# KiCad board Proyecto-KiCAD.kicad_pcb (continued)
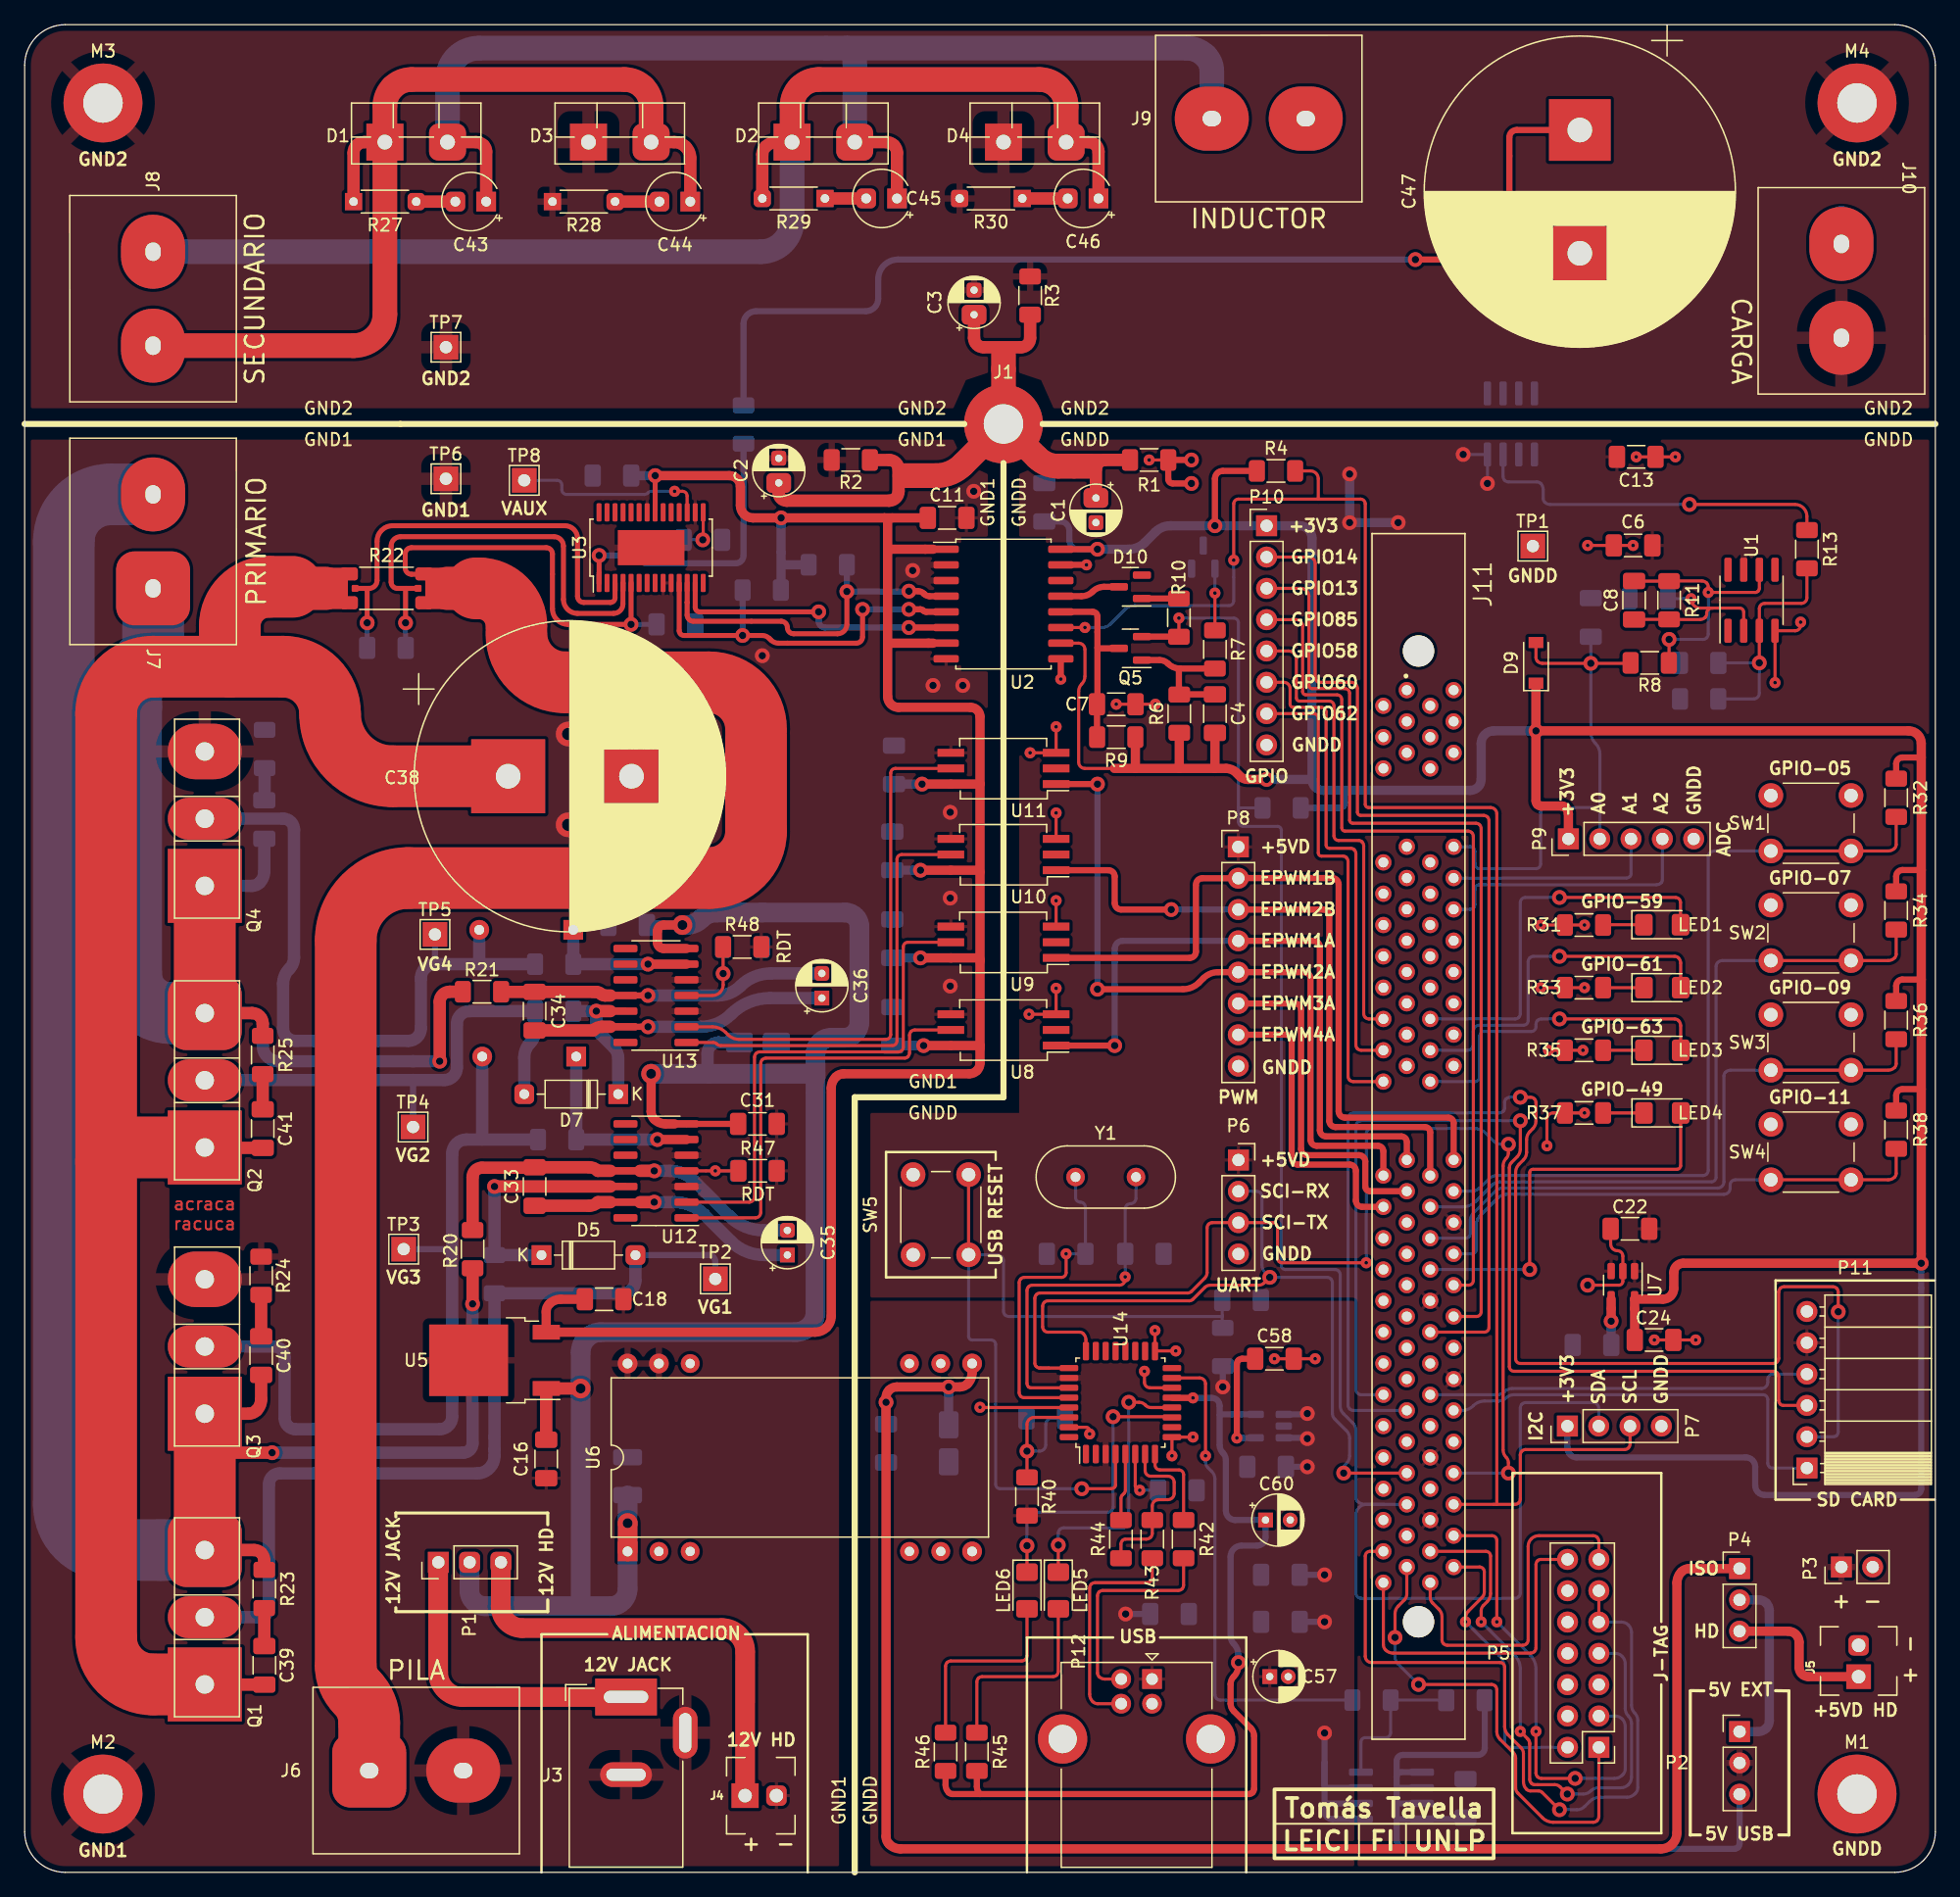
[diagram p0: board, top side]
## Routing (per net, layer and track width the routed paths; a pad name or vN(x,y) marks a point on that pad's centre or on a via; arc(x,y) is an arc through that point) (continued)
/Placa DSP/Socket Interfaces/GPIO-49: length 32.8
  Top w0.25: LED4.2 134.29,57.33 arc(134.2,57.11) 133.99,57.02 122.3,57.02 arc(122.12,56.95) 122.05,56.77 v1(122.05,48.9)
  Bottom w0.25: v1(122.05,48.9) J11.80
/Placa DSP/Socket Interfaces/GPIO-58: length 38.2
  Top w0.25: J11.18 109.02,69.22 arc(108.85,69.25) 108.71,69.34 arc(108.62,69.48) 108.59,69.65 108.59,83.26 arc(108.55,83.43) 108.46,83.57 108.42,83.6 arc(108.32,83.67) 108.2,83.69 106.55,83.69 arc(106.28,83.8) 106.17,84.07 106.17,94.62 arc(106.06,94.88) 105.79,95 103.38,95 arc(103.2,95.07) 103.12,95.25 103.12,98.43 arc(102.94,98.87) 102.49,99.06 P10.5
/Placa DSP/Socket Interfaces/GPIO-59: length 31.8
  Top w0.25: v1(124.46,79.07) 133.87,79.07 arc(134.16,78.95) 134.28,78.66 LED1.2
  Bottom w0.25: v1(124.46,79.07) 121.69,79.07 arc(121.4,78.95) 121.28,78.66 121.28,69.65 arc(121.25,69.48) 121.16,69.34 arc(121.02,69.25) 120.85,69.22 J11.68
/Placa DSP/Socket Interfaces/GPIO-60: length 38.3
  Top w0.25: P10.6 102.11,96.52 arc(102.47,96.37) 102.62,96.01 102.62,94.74 arc(102.69,94.56) 102.87,94.49 105.16,94.49 arc(105.43,94.38) 105.54,94.11 105.54,83.31 arc(105.61,83.13) 105.79,83.06 107.57,83.06 arc(107.69,83.03) 107.79,82.97 107.82,82.93 arc(107.92,82.79) 107.95,82.62 107.95,67.11 arc(107.98,66.94) 108.08,66.8 arc(108.22,66.71) 108.38,66.68 J11.20
/Placa DSP/Socket Interfaces/GPIO-61: length 29.5
  Top w0.25: v1(124.46,74.3) 133.81,74.3 arc(133.97,74.26) 134.11,74.17 arc(134.24,73.97) 134.29,73.74 LED2.2
  Bottom w0.25: v1(124.46,74.3) 122.35,74.3 arc(122.19,74.26) 122.05,74.17 arc(121.95,74.03) 121.92,73.86 121.92,69.09 arc(121.81,68.82) 121.54,68.71 117.98,68.71 arc(117.62,68.56) 117.47,68.2 117.47,67.18 arc(117.33,66.82) 116.97,66.68 J11.70
/Placa DSP/Socket Interfaces/GPIO-62: length 38.7
  Top w0.25: P10.7 104.52,93.98 arc(104.79,93.87) 104.9,93.6 104.9,82.68 arc(104.98,82.5) 105.16,82.42 106.93,82.42 arc(107.05,82.4) 107.15,82.33 107.19,82.3 arc(107.28,82.16) 107.32,81.99 107.32,64.57 arc(107.35,64.4) 107.44,64.26 arc(107.58,64.17) 107.75,64.14 J11.22
/Placa DSP/Socket Interfaces/GPIO-63: length 27
  Top w0.25: LED3.2 134.29,68.66 arc(134.24,68.89) 134.11,69.09 arc(133.97,69.18) 133.81,69.22 v1(124.46,69.22)
  Bottom w0.25: v1(124.46,69.22) 122.99,69.22 arc(122.82,69.18) 122.68,69.09 arc(122.59,68.95) 122.56,68.78 122.56,68.58 arc(122.44,68.31) 122.17,68.2 118.36,68.2 arc(118.09,68.09) 117.98,67.82 117.98,64.52 arc(117.87,64.25) 117.6,64.14 J11.72
/Placa DSP/Socket Interfaces/GPIO-85: length 71.4
  Top w0.25: J11.81 117.09,47.63 arc(117.36,47.74) 117.47,48.01 117.47,84.02 arc(117.44,84.19) 117.35,84.33 arc(117.21,84.42) 117.04,84.46 107.06,84.46 arc(106.88,84.53) 106.81,84.71 106.81,95.12 arc(106.7,95.39) 106.43,95.5 103.89,95.5 arc(103.71,95.58) 103.63,95.76 103.63,101.09 arc(103.48,101.45) 103.12,101.6 P10.4
/Placa DSP/Socket Interfaces/I2CSCL: length 149.3
  Top w0.25: 104.9,111.38 98.43,111.38 arc(98.16,111.27) 98.04,111 v4(98.04,106.43) ; 104.9,111.38 108.33,111.38 arc(108.6,111.27) 108.71,111 108.71,86.61 arc(108.79,86.43) 108.97,86.36 118.87,86.36 arc(119.23,86.21) 119.38,85.85 119.38,29.85 ; 104.9,111.38 104.9,113.03 arc(104.72,113.48) 104.27,113.67 R4.2 ; 119.38,29.85 J11.95 ; 119.38,29.85 120.85,29.85 arc(121.02,29.88) 121.16,29.97 arc(121.25,30.11) 121.28,30.28 121.28,33.86 arc(121.32,34.02) 121.41,34.16 arc(121.55,34.26) 121.72,34.29 129.74,34.29 arc(129.91,34.32) 130.05,34.42 arc(130.15,34.57) 130.19,34.75 P7.3 ; U2.11 v4(85.98,100.97)
  Bottom w0.25: v4(98.04,106.43) 98.04,103.12 arc(97.93,102.85) 97.66,102.74 90.04,102.74 arc(89.57,102.65) 89.18,102.38 88.03,101.23 arc(87.73,101.04) 87.38,100.97 v4(85.98,100.97)
/Placa DSP/Socket Interfaces/I2CSDA: length 141.1
  Top w0.25: R10.1 v4(93.6,101.73) ; 93.47,100.22 arc(93.47,100.22) 93.48,100.22 arc(93.47,100.22) 93.47,100.23
  Top w0.5: Q5.2 93.47,100.23
  Bottom w0.25: 98.43,86.36 98.43,101.35 arc(98.31,101.62) 98.04,101.73 v4(93.6,101.73) ; 98.43,86.36 98.43,85.22 arc(98.54,84.95) 98.81,84.84 101.6,84.84 arc(101.82,84.75) 101.91,84.53 101.91,49.22 arc(102,48.99) 102.23,48.9 106.25,48.9 arc(106.41,48.86) 106.55,48.77 arc(106.65,48.63) 106.68,48.46 106.68,37.82 arc(106.75,37.49) 106.93,37.21 107.7,36.45 arc(107.88,36.17) 107.95,35.84 107.95,30.41 arc(107.98,30.24) 108.08,30.1 arc(108.36,29.91) 108.69,29.85 110.24,29.85 ; 98.43,86.36 arc(98.43,86.34) 98.45,86.33 R5.2 ; 110.24,29.85 108.82,29.85 arc(108.49,29.78) 108.2,29.59 arc(108.02,29.31) 107.95,28.98 107.95,22.66 arc(107.98,22.49) 108.08,22.35 arc(108.22,22.26) 108.38,22.23 120.85,22.23 arc(121.02,22.26) 121.16,22.35 arc(121.25,22.49) 121.28,22.66 121.28,37.67 arc(121.32,37.83) 121.41,37.97 arc(121.55,38.07) 121.72,38.1 127.2,38.1 arc(127.37,38.07) 127.51,37.97 arc(127.61,37.82) 127.65,37.64 P7.2 ; 110.24,29.85 J11.45
/Placa DSP/Socket Interfaces/SCI-RX: length 61.6
  Top w0.25: v1(106.96,32.39) J11.43 ; v1(100.97,48.26) 100.51,47.8 arc(100.31,47.67) 100.08,47.63 96.14,47.63 arc(95.9,47.58) 95.71,47.45 94.74,46.48 arc(94.6,46.39) 94.44,46.36 82.98,46.36 arc(82.82,46.32) 82.68,46.23 arc(82.58,46.09) 82.55,45.92 82.55,44.25 arc(82.58,44.08) 82.68,43.94 arc(82.82,43.85) 82.98,43.82 85.55,43.82 arc(85.71,43.78) 85.85,43.69 arc(86.01,43.46) 86.06,43.19 U14.24
  Bottom w0.25: v1(106.96,32.39) 106.96,32.8 arc(106.99,32.93) 107.06,33.05 107.19,33.17 arc(107.38,33.45) 107.44,33.78 107.44,35.2 arc(107.38,35.53) 107.19,35.81 106.22,36.78 arc(106.09,36.98) 106.05,37.21 106.05,47.83 arc(106.01,47.99) 105.92,48.13 arc(105.78,48.23) 105.61,48.26 v1(100.97,48.26) 100.6,48.63 arc(100.4,48.92) 100.33,49.28 100.33,54.81 arc(100.3,54.98) 100.2,55.12 arc(100.07,55.2) 99.92,55.24 P6.2
/Placa DSP/Socket Interfaces/SCI-TX: length 97.7
  Top w0.25: v4(108.79,49.44) 101.94,49.44 arc(101.83,49.46) 101.73,49.53 arc(101.63,49.67) 101.6,49.84 101.6,52.27 arc(101.57,52.44) 101.47,52.58 arc(101.34,52.66) 101.19,52.7 P6.3 96.29,52.7 arc(96.14,52.66) 96.01,52.58 arc(95.92,52.44) 95.89,52.27 95.89,48.64 arc(95.84,48.41) 95.71,48.21 94.62,47.12 arc(94.47,47.02) 94.31,46.99 82.35,46.99 arc(82.18,46.96) 82.04,46.86 arc(81.95,46.72) 81.92,46.56 81.92,41.28 arc(81.94,41.16) 82,41.06 82.04,41.02 arc(82.18,40.93) 82.33,40.9 83.06,40.9 ; v1(120.32,32.39) 120.32,33.23 arc(120.27,33.46) 120.14,33.66 arc(119.95,33.94) 119.89,34.27 119.89,57.3 arc(119.95,57.63) 120.14,57.91 arc(120.27,58.11) 120.32,58.34 v1(120.32,59.06) ; 83.06,40.9 84.69,40.9 ; 83.06,40.9 82.29,40.9
  Bottom w0.25: v4(108.79,49.44) 108.79,59.89 arc(108.91,60.2) 109.22,60.33 117.6,60.33 arc(118.07,60.23) 118.47,59.97 119.13,59.31 arc(119.41,59.12) 119.74,59.06 v1(120.32,59.06) ; v1(120.32,32.39) J11.93
/Placa DSP/Socket Interfaces/SPI-CLK: length 112.8
  Top w0.25: v1(121.28,62.87) 122.12,62.87 arc(122.29,62.83) 122.43,62.74 arc(122.52,62.6) 122.56,62.43 122.56,60.94 arc(122.49,60.61) 122.3,60.33 122.06,60.09 arc(121.86,59.79) 121.79,59.44 121.79,58.4 arc(121.73,58.07) 121.54,57.79 121.17,57.42 arc(120.97,57.12) 120.9,56.77 120.9,41.66 arc(121.02,41.39) 121.28,41.28 141.81,41.28 arc(141.97,41.31) 142.11,41.4 arc(142.21,41.54) 142.24,41.71 142.24,47.06 arc(142.27,47.23) 142.37,47.37 arc(142.51,47.46) 142.67,47.5 146.63,47.5 arc(146.8,47.46) 146.94,47.37 arc(147.03,47.23) 147.07,47.06 v1(147.07,45.47)
  Bottom w0.25: v1(147.07,45.47) 147.07,35.74 arc(147.03,35.57) 146.94,35.43 arc(146.83,35.36) 146.69,35.33 P11.2 ; J11.39 107.75,37.47 arc(107.58,37.5) 107.44,37.59 arc(107.35,37.73) 107.32,37.9 107.32,61.16 arc(107.35,61.33) 107.44,61.47 arc(107.58,61.56) 107.75,61.6 119.58,61.6 arc(119.75,61.63) 119.89,61.72 119.93,61.76 arc(119.99,61.86) 120.02,61.98 120.02,62.48 arc(120.04,62.6) 120.1,62.7 120.14,62.74 arc(120.28,62.83) 120.45,62.87 v1(121.28,62.87)
/Placa DSP/Socket Interfaces/SPI-SIMO: length 84.4
  Top w0.25: P11.3 142.61,37.87 arc(142.48,37.9) 142.37,37.97 arc(142.27,38.11) 142.24,38.28 142.24,40.21 arc(142.21,40.37) 142.11,40.51 arc(141.97,40.61) 141.81,40.64 120.78,40.64 arc(120.51,40.75) 120.4,41.02 120.4,57.15 arc(120.44,57.38) 120.58,57.58 121.03,58.04 arc(121.22,58.32) 121.28,58.65 v1(121.28,60.96)
  Bottom w0.25: J11.38 108.38,38.74 arc(108.22,38.77) 108.08,38.86 arc(107.98,39) 107.95,39.17 107.95,60.53 arc(107.98,60.69) 108.08,60.83 arc(108.22,60.93) 108.38,60.96 v1(121.28,60.96)
/Placa DSP/Socket Interfaces/SPI-SOMI: length 31.5
  Bottom w0.25: P11.4 141.76,40.41 arc(141.47,40.29) 141.35,40.01 141.35,39.75 arc(141.2,39.39) 140.84,39.24 120.63,39.24 arc(120.3,39.18) 120.02,38.99 arc(119.73,38.8) 119.4,38.74 J11.88
/Placa DSP/Socket Interfaces/TCK: length 61
  Top w0.25: J11.48 109.09,26.04 arc(108.82,25.92) 108.71,25.65 108.71,17.53 arc(108.86,17.17) 109.22,17.02 119.63,17.02 arc(119.9,16.91) 120.02,16.64 120.02,11.81 arc(120.09,11.46) 120.28,11.16 121.36,10.09 arc(121.49,9.89) 121.54,9.65 121.54,7.34 arc(121.61,7.01) 121.79,6.73 arc(121.93,6.64) 122.1,6.6 122.76,6.6 arc(122.92,6.57) 123.06,6.48 v1(124.46,5.08) ; P5.9 P5.11
  Bottom w0.25: P5.9 129.48,20.3 arc(129.79,20.24) 130.05,20.07 arc(130.24,19.78) 130.3,19.45 130.3,13.55 arc(130.37,13.21) 130.56,12.93 arc(130.74,12.65) 130.81,12.32 130.81,6.86 arc(130.76,6.62) 130.63,6.42 130.56,6.35 arc(130.27,6.16) 129.94,6.1 127.76,6.1 arc(127.29,6) 126.89,5.74 126.49,5.33 arc(126.21,5.15) 125.88,5.08 v1(124.46,5.08)
/Placa DSP/Socket Interfaces/TDI: length 37.8
  Top w0.25: J11.97 119,27.31 arc(119.27,27.19) 119.38,26.92 v4(119.38,20.32) ; v4(122.56,11.43) 122.56,8.05 arc(122.59,7.89) 122.68,7.75 arc(122.82,7.65) 122.99,7.62 v1(125.73,7.62)
  Bottom w0.25: v4(119.38,20.32) 122.11,17.59 arc(122.44,17.1) 122.56,16.51 v4(122.56,11.43) ; v1(125.73,7.62) 128.93,7.62 arc(129.26,7.69) 129.54,7.87 129.61,7.95 arc(129.75,8.15) 129.79,8.38 129.79,11.83 arc(129.73,12.16) 129.54,12.45 arc(129.28,12.62) 128.98,12.68 P5.3
/Placa DSP/Socket Interfaces/TDO: length 46.9
  Top w0.25: 121.87,10.85 v4(121.28,11.43) ; 121.87,10.85 arc(122,10.65) 122.05,10.41 ; 121.87,10.85 arc(122,10.65) 122.05,10.41 122.05,7.55 arc(122.08,7.38) 122.17,7.24 122.21,7.2 arc(122.31,7.14) 122.43,7.11 124.08,7.11 arc(124.31,7.07) 124.51,6.93 v1(125.09,6.35) ; J11.98 118.49,26.04 arc(118.76,25.92) 118.87,25.65 118.87,22.61 arc(118.8,22.25) 118.6,21.96 118.29,21.64 arc(118.16,21.44) 118.11,21.21 v4(118.11,20.32)
  Bottom w0.25: v1(125.09,6.35) 126.39,6.35 arc(126.72,6.42) 127,6.6 arc(127.28,6.79) 127.61,6.86 129.43,6.86 arc(129.77,6.92) 130.05,7.11 arc(130.24,7.39) 130.3,7.73 130.3,12.07 arc(130.24,12.4) 130.05,12.68 arc(129.86,12.96) 129.79,13.29 129.79,16.91 arc(129.73,17.24) 129.54,17.53 arc(129.28,17.7) 128.98,17.76 P5.7 ; v4(121.28,11.43) 121.28,16.51 arc(121.17,17.1) 120.84,17.59 v4(118.11,20.32)
/Placa DSP/Socket Interfaces/TMS: length 39.6
  Top w0.25: P5.1 127.66,4.55 arc(127.62,4.35) 127.51,4.19 arc(127.37,4.1) 127.2,4.06 123.95,4.06 arc(123.48,4.16) 123.08,4.42 121.08,6.42 arc(120.95,6.62) 120.9,6.86 120.9,9.27 arc(120.86,9.51) 120.72,9.7 119.63,10.8 arc(119.45,11.08) 119.38,11.41 119.38,14.81 arc(119.35,14.97) 119.25,15.11 arc(119.11,15.21) 118.95,15.24 v1(113.03,15.24) ; J11.49 112.08,22.56 arc(112.03,22.31) 111.89,22.1 111.38,21.59 arc(111.19,21.31) 111.12,20.98 v1(111.12,19.05)
  Bottom w0.25: v1(111.12,19.05) 111.12,17.5 arc(111.19,17.17) 111.38,16.89 v1(113.03,15.24)
/Placa DSP/Socket Interfaces/TRSTn: length 23.7
  Top w0.25: v4(116.84,20.32) 116.84,20.6 arc(116.91,20.93) 117.09,21.21 118.18,22.3 arc(118.32,22.5) 118.36,22.73 118.36,24.38 arc(118.25,24.65) 117.98,24.77 J11.99
  Bottom w0.25: v4(116.84,20.32) 119.57,17.59 arc(119.9,17.1) 120.02,16.51 120.02,10.59 arc(120.05,10.43) 120.14,10.29 arc(120.3,10.18) 120.5,10.14 P5.2
/Placa DSP/USB-UART/DM: length 18.1
  Top w0.25: R42.1 93.98,23.29 arc(93.95,23.13) 93.85,22.99 arc(93.71,22.89) 93.55,22.86 87.43,22.86 arc(87.26,22.83) 87.12,22.73 arc(87.03,22.59) 87,22.43 87,16.18 arc(87.03,16.02) 87.12,15.88 arc(87.34,15.73) 87.6,15.68 P12.2
/Placa DSP/USB-UART/DP: length 18.8
  Top w0.25: P12.3 87.01,13.68 arc(86.8,13.72) 86.61,13.84 arc(86.43,14.12) 86.36,14.46 86.36,23.06 arc(86.39,23.23) 86.49,23.37 arc(86.63,23.46) 86.79,23.5 91.01,23.5 arc(91.17,23.53) 91.31,23.62 arc(91.41,23.76) 91.44,23.93 R43.1
/Placa DSP/USB-UART/PWREN#: length 39.9
  Top w0.25: v4(95.76,33.78) 95.76,39.62 arc(95.62,39.96) 95.28,40.1 U14.15
  Bottom w0.25: 96.52,14.38 96.52,31.9 arc(96.45,32.23) 96.27,32.51 95.94,32.84 arc(95.8,33.04) 95.76,33.27 v4(95.76,33.78) ; R39.1 96.95,13.97 arc(96.79,14) 96.65,14.1 arc(96.55,14.24) 96.52,14.4
/Placa DSP/USB-UART/RESET#: length 67.1
  Top w0.25: v1(85.73,31.12) 88.09,31.12 arc(88.25,31.15) 88.39,31.24 arc(88.44,31.32) 88.46,31.41 U14.4 ; SW5.2 SW5.2
  Bottom w0.25: 97.12,45.12 97.12,44.25 arc(97.13,44.2) R41.1 ; 97.12,45.12 C50.1 ; 97.12,45.12 arc(97.07,45.1) 97.02,45.09 79.81,45.09 arc(79.64,45.12) 79.5,45.21 arc(79.41,45.35) 79.38,45.52 79.38,49.6 arc(79.34,49.77) 79.25,49.91 arc(79.05,50.04) 78.82,50.09 SW5.2 76.55,43.47 arc(76.63,43.26) 76.84,43.18 78.36,43.18 arc(78.63,43.07) 78.74,42.8 78.74,31.47 arc(78.85,31.22) 79.1,31.12 v1(85.73,31.12)
/Placa DSP/USB-UART/RSTOUT#: length 5.5
  Top w0.25: R44.2 88.9,30.35 arc(88.92,30.47) 88.99,30.57 89.15,30.73 arc(89.23,30.85) 89.26,30.99 U14.5
/Placa DSP/USB-UART/RXLED#: length 23.9
  Top w0.25: 92.98,36.96 v1(88.27,36.96) ; LED6.1 v1(81.28,26.49)
  Bottom w0.25: v1(81.28,26.49) 81.28,28.58 arc(81.33,28.81) 81.46,29.01 81.53,29.08 arc(81.67,29.18) 81.84,29.21 87.83,29.21 arc(88,29.24) 88.14,29.34 arc(88.23,29.48) 88.27,29.64 v1(88.27,36.96)
/Placa DSP/USB-UART/TXLED#: length 22.7
  Top w0.25: v1(89.54,38.13) 90.37,38.13 arc(90.63,38.07) 90.86,37.92 90.91,37.87 arc(91.1,37.74) 91.31,37.7 93.04,37.7 ; LED5.1 v1(83.82,26.54)
  Bottom w0.25: v1(83.82,26.54) 83.82,27.51 arc(83.85,27.67) 83.95,27.81 arc(84.09,27.91) 84.25,27.94 89.1,27.94 arc(89.27,27.97) 89.41,28.07 arc(89.5,28.21) 89.54,28.37 v1(89.54,38.13)
/Placa DSP/USB-UART/U5V: length 30.5
  Bottom w0.25: 103.69,37.15 arc(103.74,37.16) 103.76,37.21 ; 105.54,6.86 arc(105.45,6.9) 105.41,6.99
  Bottom w0.5: Q6.3 105.54,6.86 ; C56.2 v1(105.41,20.32) ; 105.41,8.89 v1(105.41,11.3) ; 105.41,8.89 105.41,6.99 ; 105.41,8.89 105.41,5.46 ; C55.2 v1(105.41,24.13) ; C54.2 v1(89.28,20.96) ; C53.1 v1(104.01,32.89) ; Q6.1 106.05,4.32 arc(105.6,4.5) 105.41,4.95 105.41,5.46 ; 105.41,5.46 arc(105.45,5.55) 105.54,5.59 Q6.2 ; U15.3 104.01,35.25 ; R41.2 97.16,39.5 ; U15.1 103.69,37.15
  vias: v1(97.16,39.37) v1(104.01,37.21) v1(104.01,35.18)
/Placa DSP/USB-UART/USBDM: length 7.3
  Top w0.25: U14.8 91.66,33.05 arc(91.78,32.76) 92.08,32.64 93.6,32.64 arc(93.87,32.53) 93.98,32.26 R42.2
/Placa DSP/USB-UART/USBDP: length 13.9
  Top w0.25: R44.1 88.9,26.62 arc(88.93,26.78) 89.03,26.92 arc(89.14,27) 89.27,27.03 90.94,27.03 arc(91.14,27.06) 91.31,27.18 arc(91.41,27.32) 91.44,27.48 R43.2 91.44,29.72 arc(91.59,30.08) 91.95,30.23 92.71,30.23 arc(93.07,30.37) 93.22,30.73 93.22,31.62 arc(93.07,31.98) 92.71,32.13 91.31,32.13 arc(90.99,32.26) 90.86,32.58 U14.7
/Placa DSP/USB-UART/XTIN: length 28.4
  Top w0.25: U14.27 81.58,39.3 arc(81.48,39.32) 81.41,39.37 arc(81.31,39.51) 81.28,39.68 81.28,47.19 arc(81.31,47.36) 81.41,47.5 arc(81.55,47.59) 81.71,47.63 88.77,47.63 arc(89.1,47.76) 89.24,48.09 v4(89.24,48.3)
  Bottom w0.25: v4(89.24,48.3) C51.1 89.24,53.81 arc(89.37,54.11) 89.66,54.23 arc(89.99,54.36) 90.12,54.69 Y1.1
/Placa DSP/USB-UART/XTOUT: length 27.2
  Top w0.25: U14.28 81.03,38.5 arc(80.89,38.53) 80.77,38.61 arc(80.68,38.75) 80.65,38.91 80.65,47.83 arc(80.68,47.99) 80.77,48.13 arc(80.91,48.23) 81.08,48.26 84.07,48.26 arc(84.34,48.37) 84.46,48.64 v4(84.46,50.17)
  Bottom w0.25: Y1.2 85.22,54.73 arc(85.33,54.47) 85.6,54.36 arc(85.89,54.23) 86.02,53.94 C52.1 v4(84.46,50.17)
Net-(C1-Pad1): length 59.5
  Top w0.5: 88.98,114.81 83.52,114.81
  Top w1: R1.1 87.63,114.55 arc(87.09,114.33) 86.87,113.79 86.87,111.52 ; C2.1 61.15,111.89 arc(61.34,111.44) 61.79,111.25 70.1,111.25 arc(70.64,111.48) 70.87,112.01 70.87,113.79 arc(70.64,114.33) 70.1,114.55 R2.1 ; C3.1 76.99,124.46 arc(77.21,123.92) 77.75,123.7 80.8,123.7 arc(81.32,123.91) 81.53,124.43 R3.2
  Top w2: J1.1 82.09,114.76 arc(82.88,114.23) 83.82,114.05 86.36,114.05 ; J1.1 79.38,123.06 ; J1.1 76.07,114.17 arc(75.09,113.52) 73.93,113.28 71.37,113.28
Net-(C4-Pad2): length 11.2
  Top w0.25: 93.64,95.54 arc(93.63,95.54) R6.2 arc(93.61,95.54) 93.6,95.56
  Top w0.5: C4.2 93.64,95.54 ; 93.6,95.56 93.6,97.41 arc(93.62,97.53) 93.69,97.64 ; 93.69,97.64 R7.1 ; 93.69,97.64 arc(93.16,97.74) 92.71,98.04 arc(92.4,98.25) 92.03,98.33 Q5.1
Net-(C7-Pad1): length 14.8
  Top w0.25: 87.03,99.28 arc(87.01,99.29) 87,99.31
  Top w0.5: Q5.3 87.03,99.28 ; U2.12 86.61,102.24 arc(86.88,102.12) 87,101.85 87,94.78 arc(86.98,94.75) C7.1 86.96,92.09 arc(86.96,92.08) R9.1
Net-(C8-Pad1): length 15.2
  Top w0.25: 136.91,102.54 136.78,102.54 arc(136.66,102.52) 136.56,102.45 136.53,102.42 arc(136.43,102.27) 136.4,102.11 136.4,102.03 arc(136.37,101.92) 136.31,101.82 136.27,101.78 arc(136.09,101.66) 135.87,101.62 133.36,101.62 arc(133.35,101.62) R11.1 130.52,101.63 arc(130.51,101.62) C8.1 ; 136.91,102.54 139.06,102.54 arc(139.3,102.44) 139.4,102.21 U1.2 ; 136.91,102.54 135.89,102.54 arc(135.35,102.77) v4(135.13,103.3)
  Bottom w0.25: v4(135.13,103.3) R14.2
Net-(C8-Pad2): length 21.6
  Top w0.25: R11.2 130.52,104.73 arc(130.51,104.73) C8.2 ; U1.6 140.67,104.14 arc(140.65,104.03) 140.59,103.94 140.55,103.9 arc(140.45,103.84) 140.34,103.81 v4(136.53,103.81) 136.53,104.27 arc(136.49,104.43) 136.4,104.57 arc(136.21,104.7) 136,104.74 133.05,104.74 ; v1(133.35,100) 133.35,98.12 arc(133.34,98.1) R8.1
  Bottom w0.25: v4(136.53,103.81) 136.53,100.44 arc(136.49,100.27) 136.4,100.13 arc(136.26,100.04) 136.09,100 v1(133.35,100)
Net-(C9-Pad1): length 20.5
  Top w0.25: v1(140.67,98.1) 140.67,100.7 arc(140.67,100.7) U1.3 140.67,102.5 arc(140.8,102.8) 141.1,102.92 144.07,102.92 arc(144.39,103.06) 144.53,103.38 R13.2
  Bottom w0.25: C9.1 140.66,98.1 arc(140.66,98.1) v1(140.67,98.1) 140.67,95.63 arc(140.53,95.31) 140.21,95.17 R12.1
Net-(C14-Pad1): length 3.8
  Top w0.25: 55.02,108.11 U3.15
  Bottom w0.25: C14.1 v1(54.99,108.08)
Net-(C23-Pad1): length 3.7
  Top w0.75: U7.4 128.65,45.72 v1(128.65,44.7)
  Bottom w0.5: 128.65,42.81 arc(128.65,42.79) C23.1
  Bottom w0.75: v1(128.65,44.7) 128.65,42.81
Net-(C29-Pad1): length 6
  Top w0.25: R47.1 v4(56.01,56.9) U12.4
  Bottom w0.25: v4(56.01,56.9) C29.1
Net-(C30-Pad1): length 8.7
  Top w0.25: U13.4 55.77,71.12 arc(56.11,71.19) 56.39,71.37 arc(56.58,71.66) 56.64,71.99 v1(56.64,72.9) R48.1
  Bottom w0.25: v1(56.64,72.9) C30.1
Net-(C33-Pad1): length 22
  Top w0.5: 47.5,54.36 U12.13 49.91,54.36
  Top w1: C33.1 45.78,54.06 arc(46.16,54.14) 46.48,54.36 47.5,54.36 ; 49.91,54.36 v1(51.05,54.36)
  Bottom w1: v1(51.05,54.36) 52.71,54.36 arc(54,54.1) 55.09,53.37 57.28,51.18 arc(58.51,50.36) 59.96,50.07 C35.1
Net-(C33-Pad2): length 32
  Top w0.5: 47.5,56.9 U12.11 49.91,56.9
  Top w1: 49.91,56.9 v1(51.05,56.9) ; 47.5,56.9 46.48,56.9 arc(46.16,57.11) 45.78,57.19 C33.2 ; 41.31,57.15 37.08,57.15 arc(36.55,56.93) 36.32,56.39 36.32,52.1
  Bottom w1: C35.2 59.94,52.07 arc(58.42,52.37) 57.13,53.24 54.28,56.09 arc(53.38,56.69) 52.32,56.9 v1(51.05,56.9)
Net-(C34-Pad1): length 24
  Top w0.5: 47.5,68.58 U13.13 v1(50.55,68.58)
  Top w1: 47.5,68.58 46.81,68.58 arc(46.42,68.5) 46.1,68.29 C34.1
  Bottom w1: v1(50.55,68.58) 54.82,68.58 arc(56.15,68.84) 57.28,69.6 arc(58.73,70.57) 60.45,70.91 C36.1
Net-(C34-Pad2): length 26.6
  Top w0.5: 47.5,71.12 U13.11 v1(50.55,71.12)
  Top w1: 47.5,71.12 47.04,71.12 arc(46.88,71.15) 46.74,71.25 arc(46.55,71.37) 46.34,71.41 C34.2 38.65,71.41 arc(38.64,71.42) R21.1
  Bottom w1: C36.2 60.52,72.91 arc(59.18,72.64) 58.04,71.88 arc(57.19,71.32) 56.2,71.12 v1(50.55,71.12)
Net-(C38-Pad1): length 185.3
  Top w0.25: 14.63,58.76 arc(14.61,58.77) Q2.1 ; 14.62,15.23 arc(14.61,15.23) Q1.1
  Top w0.5: 24.71,105.5 24.71,102.78 ; 25.1,105.5 25.1,102.78 ; 26.75,105.56 26.75,105.05 24.36,105.05 ; 26.75,103.02 24.38,103.02 ; 26.75,105.21 24.36,105.21 ; 24.33,105.56 24.33,104.9 ; 24.36,103.23 26.75,103.23 26.75,102.72 24.38,102.72 ; 24.33,102.78 24.33,105.5 ; 24.36,105.56 26.75,105.56 ; 24.33,103.38 24.33,102.72 ; 25.48,105.5 25.48,102.78 ; 25.86,105.5 25.86,102.78
  Top w1: C41.2 14.63,58.76 ; C39.2 14.62,15.23
  Top w3.5: 24.38,104.14 21.84,104.14
  Top w5: 16.64,97.79 20.95,97.79 arc(23.65,96.67) 24.77,93.98 arc(26.25,90.39) 29.84,88.9 C38.1 ; 16.64,97.79 16.64,101.09 arc(17.57,103.34) 19.81,104.27 21.72,104.27 ; 16.64,97.79 10.41,97.79 arc(7.72,96.67) 6.6,93.98 6.6,19.05 arc(7.72,16.36) 10.41,15.24 Q1.1 ; Q2.1 6.73,58.8
Net-(C39-Pad1): length 3.1
  Top w0.25: 19.43,18.36 arc(19.43,18.35) C39.1
  Top w1: R23.2 19.43,18.36
Net-(C40-Pad1): length 3.4
  Top w1: C40.1 R24.2
Net-(C41-Pad1): length 2.9
  Top w1: R25.2 C41.1
Net-(C42-Pad1): length 2.6
  Bottom w0.25: 19.46,86.97 arc(19.44,86.97) C42.1 arc(19.45,86.99) 19.46,87.02
  Bottom w1: R26.2 19.46,87.02
Net-(C43-Pad1): length 96.6
  Top w1: C45.1 70.74,139.47 arc(70.67,139.8) 70.48,140.08 arc(70.2,140.27) 69.87,140.34 D2.2 ; C43.1 37.42,139.57 arc(37.37,139.85) 37.21,140.08 arc(36.93,140.27) 36.6,140.34 D1.2
  Bottom w2: 66.68,147.96 36.83,147.96 arc(35.03,147.21) 34.29,145.42 D1.2 ; 66.68,147.96 94.22,147.96 arc(95.05,147.79) 95.76,147.32 arc(96.13,146.76) 96.27,146.09 J9.1 ; 66.68,147.96 arc(67.12,147.77) 67.31,147.32 D2.2
Net-(C43-Pad2): length 3.2
  Top w1: C43.2 R27.2
Net-(C44-Pad1): length 78.5
  Top w1: R27.1 26.67,139.47 arc(26.74,139.8) 26.92,140.08 arc(27.21,140.27) 27.54,140.34 D1.1 ; C44.1 53.98,139.03 arc(53.88,139.53) 53.59,139.95 arc(53.17,140.24) 52.67,140.34 D3.2
  Top w2: D3.2 50.8,143.25 arc(50.63,144.08) 50.16,144.78 arc(49.46,145.25) 48.63,145.42 31.38,145.42 arc(30.55,145.25) 29.84,144.78 arc(29.38,144.08) 29.21,143.25 D1.1 29.21,126.37 arc(28.47,124.57) 26.67,123.83 J8.1
Net-(C44-Pad2): length 3.6
  Top w1: C44.2 R28.2
Net-(C45-Pad2): length 3.3
  Top w1: C45.2 R29.1
Net-(C46-Pad1): length 103.5
  Top w1: D4.2 86.25,140.34 arc(86.59,140.27) 86.87,140.08 arc(87.03,139.85) 87.08,139.57 C46.1 ; D2.1 60.99,140.34 arc(60.49,140.24) 60.07,139.95 arc(59.88,139.67) 59.82,139.34 R29.2
  Top w2: D4.2 84.46,143.25 arc(84.29,144.08) 83.82,144.78 arc(83.12,145.25) 82.29,145.42 64.4,145.42 arc(63.57,145.25) 62.87,144.78 arc(62.4,144.08) 62.23,143.25 D2.1
  Bottom w2: D2.1 62.23,133.99 arc(61.49,132.19) 59.69,131.45 J8.2
Net-(C46-Pad2): length 3.7
  Top w1: C46.2 R30.1
Net-(C48-Pad2): length 12.4
  Bottom w0.25: Q6.4 108.36,10.57 arc(108.46,10.82) 108.71,10.92 110.36,10.92 arc(110.65,11.04) 110.77,11.33 R39.2 C48.2
Net-(C58-Pad1): length 9.3
  Top w0.5: C58.1 98.73,41.66 arc(98.57,41.62) 98.43,41.53 arc(98.33,41.39) 98.3,41.22 v4(98.3,35.23)
  Bottom w0.5: v4(98.3,35.23) 99.81,35.23 arc(99.82,35.23) U15.4
Net-(D5-Pad1): length 20
  Top w0.5: U12.12 47.5,55.63
  Top w1: v1(38.1,55.63) 47.5,55.63
  Bottom w1: v1(38.1,55.63) R16.1 41.91,50.06 arc(41.91,50.06) D5.1
Net-(D6-Pad1): length 15.7
  Top w0.75: U12.6 v1(51.31,59.44)
  Bottom w1: v1(51.31,59.44) R17.1 44.73,66.15 arc(44.73,66.16) D6.1
Net-(D7-Pad1): length 11.6
  Top w0.5: 48.72,69.85 47.5,69.85
  Top w1: v1(46.35,69.85) 47.5,69.85
  Bottom w1: R18.1 v1(46.35,69.85) 46.35,68.83 arc(46.45,68.36) 46.71,67.97 47.77,66.91 arc(48.04,66.51) 48.13,66.04 D7.1
Net-(D8-Pad1): length 12
  Top w0.75: U13.6 v1(50.55,73.66)
  Bottom w1: v1(50.55,73.66) R19.1 44.49,76.44 arc(44.49,76.44) D8.1
Net-(D10-Pad1): length 2.9
  Top w0.25: 93.47,103.32 arc(93.47,103.32) 93.48,103.32
  Top w0.5: D10.1 93.47,103.32
Net-(D10-Pad3): length 4.9
  Top w0.5: U2.13 85.69,103.51 arc(86.19,103.6) 86.61,103.89 arc(87.04,104.17) 87.53,104.27 D10.3
Net-(D11-Pad1): length 5
  Top w0.25: R7.2 v4(96.52,103.76)
  Bottom w0.25: v4(96.52,103.76) 96.52,105.73 arc(96.52,105.74) D11.1
Net-(LED1-Pad1): length 3.3
  Top w0.25: R31.1 128.03,76.86 LED1.1
Net-(LED2-Pad1): length 3.3
  Top w0.25: LED2.1 R33.1
Net-(LED3-Pad1): length 3.3
  Top w0.25: LED3.1 R35.1
Net-(LED4-Pad1): length 3.3
  Top w0.25: LED4.1 R37.1
Net-(LED5-Pad2): length 16.3
  Top w0.25: R45.2 77.22,15.44 arc(77.25,15.61) 77.34,15.75 arc(77.48,15.84) 77.65,15.88 83.39,15.88 arc(83.55,15.91) 83.69,16 arc(83.79,16.14) 83.82,16.31 LED5.2
Net-(LED6-Pad2): length 16.3
  Top w0.25: LED6.2 81.28,17.58 arc(81.25,17.41) 81.15,17.27 arc(81.01,17.18) 80.85,17.15 75.11,17.15 arc(74.94,17.11) 74.8,17.02 arc(74.71,16.88) 74.68,16.71 R46.2
Net-(R13-Pad1): length 29.7
  Top w0.25: R13.1 144.53,109.98 arc(144.24,110.66) 143.56,110.95 v1(135,110.95)
  Bottom w0.25: v1(135,110.95) 123.7,110.95 arc(123.47,110.99) 123.27,111.13 arc(123.17,111.27) 123.14,111.43 123.14,112.15 arc(123.09,112.42) 122.94,112.65 arc(122.8,112.74) 122.63,112.78 120.32,112.78 arc(120.16,112.81) 120.02,112.9 arc(119.92,113.04) 119.89,113.21 U4.7
Net-(R15-Pad2): length 29.9
  Top w0.4: v1(66.68,103.89) 66.68,101.22 arc(66.45,100.68) 65.91,100.46 62.36,100.46 arc(62,100.61) 61.85,100.97 arc(61.7,101.32) 61.34,101.47 54.23,101.47 arc(53.87,101.62) 53.72,101.98 53.72,103 arc(53.72,103) 53.73,103 U3.12
  Top w0.5: U2.4 73.38,103.51 arc(73.15,103.55) 72.95,103.68 72.92,103.71 arc(72.7,103.86) 72.43,103.91 v1(71.7,103.91)
  Bottom w0.4: 71.68,103.89 arc(71.7,103.89) v1(71.7,103.91)
  Bottom w0.5: R15.2 v1(66.68,103.89) 71.68,103.89
Net-(R49-Pad2): length 32.2
  Top w0.4: U3.11 53.07,100.71 arc(53.19,100.43) 53.47,100.32 v1(58.22,100.32) 59.8,100.32 arc(60.12,100.26) 60.39,100.08 60.52,99.95 arc(60.8,99.76) 61.13,99.7 67.44,99.7 arc(67.8,99.84) 67.95,100.2 v1(67.95,102.44)
  Top w0.5: v1(71.7,102.44) 72.63,102.44 arc(72.76,102.41) 72.87,102.34 arc(72.99,102.26) 73.12,102.24 U2.5
  Bottom w0.5: R49.2 v1(58.22,100.32) ; v1(71.7,102.44) 67.95,102.44 arc(67.95,102.44) v1(67.95,102.44)
Net-(R50-Pad2): length 23.6
  Top w0.4: U3.1 46.57,105.38 ; v1(46.58,106.81) 46.58,105.38
  Bottom w0.5: v1(46.58,106.81) 49.17,106.81 arc(49.5,106.74) 49.78,106.55 49.99,106.35 arc(50.18,106.22) 50.42,106.17 57.66,106.17 arc(58.11,106.36) 58.29,106.81 58.29,115.88 R50.2
Net-(TP8-Pad1): length 15.6
  Top w0.25: v4(52.71,112.01) 53.34,112.01 arc(53.61,111.9) 53.72,111.63 U3.17
  Bottom w0.25: v4(52.71,112.01) 50.85,112.01 arc(50.69,111.98) 50.55,111.89 arc(50.41,111.79) 50.24,111.76 43.94,111.76 arc(43.67,111.87) 43.56,112.14 43.56,112.52 arc(43.45,112.79) 43.18,112.9 TP8.1
Net-(U2-Pad6): length 23.6
  Top w0.4: U3.13 54.37,102.6 arc(54.48,102.34) 54.74,102.24 v1(64.39,102.24)
  Top w0.5: U2.6 v1(71.7,100.97)
  Bottom w0.5: v1(71.7,100.97) 64.9,100.97 arc(64.54,101.11) 64.39,101.47 v1(64.39,102.24)
Net-(U10-Pad5): length 36.7
  Top w0.25: U10.5 71.12,82.55 arc(70.85,82.44) 70.74,82.17 70.74,67.44 arc(70.63,67.17) 70.36,67.06 56.44,67.06 arc(56.27,67.09) 56.13,67.18 arc(55.99,67.28) 55.83,67.31 U13.1
Net-(U11-Pad5): length 43.4
  Top w0.25: U11.5 70.61,89.54 arc(70.34,89.42) 70.23,89.15 70.23,67.95 arc(70.12,67.68) 69.85,67.56 57.94,67.56 arc(57.45,67.66) 57.02,67.95 56.84,68.13 arc(56.34,68.46) 55.75,68.58 U13.2
Net-(U12-Pad1): length 35.9
  Top w0.25: U12.1 59.26,53.09 arc(59.56,53.21) 59.69,53.52 59.69,65.61 arc(59.72,65.77) 59.82,65.91 arc(59.96,66.01) 60.12,66.04 71.37,66.04 arc(71.49,66.06) 71.59,66.13 71.63,66.17 arc(71.72,66.31) 71.76,66.47 71.76,67.89 arc(71.79,68.06) 71.88,68.2 arc(72.02,68.29) 72.19,68.33 U8.5
Net-(U12-Pad2): length 41.8
  Top w0.25: U12.2 58.75,54.36 arc(59.05,54.48) 59.18,54.79 59.18,66.11 arc(59.22,66.28) 59.31,66.42 arc(59.45,66.51) 59.62,66.55 70.87,66.55 arc(71.14,66.66) 71.25,66.93 71.25,75.06 arc(71.36,75.33) 71.63,75.44 U9.5

## Copper pours and planes (outline as drawn; the poured copper is in the pictures)
+5VD on Top: 154.94,0 68.58,0 68.58,61.6 80.65,61.6 80.65,113.41 82.68,114.3 83.44,116.21 154.94,116.21
GND1 on Top, Bottom: 76.2,114.3 78.11,113.41 78.11,64.14 66.04,64.14 66.04,0 0,0 0,116.21 75.31,116.21
GND2 on Top, Bottom: 154.94,118.75 83.44,118.75 82.42,121.03 79.38,122.05 76.33,121.03 75.31,118.75 0,118.75 0,149.86 154.94,149.86
GNDD on Bottom: 154.94,0 68.58,0 68.58,61.6 80.65,61.6 80.65,113.41 82.68,114.3 83.44,116.21 154.94,116.21
/Conversor/ILF+ on Bottom: 120.27,118.75 117.47,118.75 114.55,128.52 86.23,128.52 86.23,149.86 120.27,149.86
/Conversor/VLOAD/ILF- on Bottom: 154.94,149.86 154.94,128.52 126.49,128.52 123.57,118.75 120.78,118.75 120.78,149.86
/Placa DSP/USB-UART/U5V on Top: 107.82,0 68.58,0 68.58,46.36 107.82,46.36

## Text on the board
B.Silkscreen: GND2 | GND1 | GNDD
Top: acraca / racuca
F.Silkscreen: GND2 | GND1 | RDT | GNDD | 12V JACK | ALIMENTACION | 12V HD | USB | 5V USB | 5V EXT | +5VD HD | VG3 | VG2 | VG4 | VAUX | VG1 | PWM | UART | GPIO | +5VD | SCI-RX | SCI-TX | EPWM1B | EPWM2B | EPWM1A | EPWM2A | EPWM3A | EPWM4A | +3V3 | GPIO14 | GPIO13 | GPIO85 | GPIO58 | GPIO60 | GPIO62 | GPIO-59 | GPIO-61 | GPIO-63 | GPIO-49 | ISO | HD | GPIO-05 | GPIO-07 | GPIO-09 | GPIO-11 | SD CARD | USB RESET | I2C | A0 | SDA | A1 | SCL | A2 | J-TAG | ADC | + | - | PILA | INDUCTOR | SECUNDARIO | PRIMARIO | CARGA | LEICI | FI | Tomás Tavella | UNLP
